# Altium PCB DC-DC_PWM_IV_Controller.PcbDoc (part 1 of 2)
Units mm, origin at the board's own origin, x right, y up, seen from the top; angles counter-clockwise.
Board outline 90.1 x 70.25 mm, 2 copper layers (Top Layer, Bottom Layer); 159 components, 95 nets, 423 pads, 82 vias.
Unrouted connection lines stored in the file: 1.
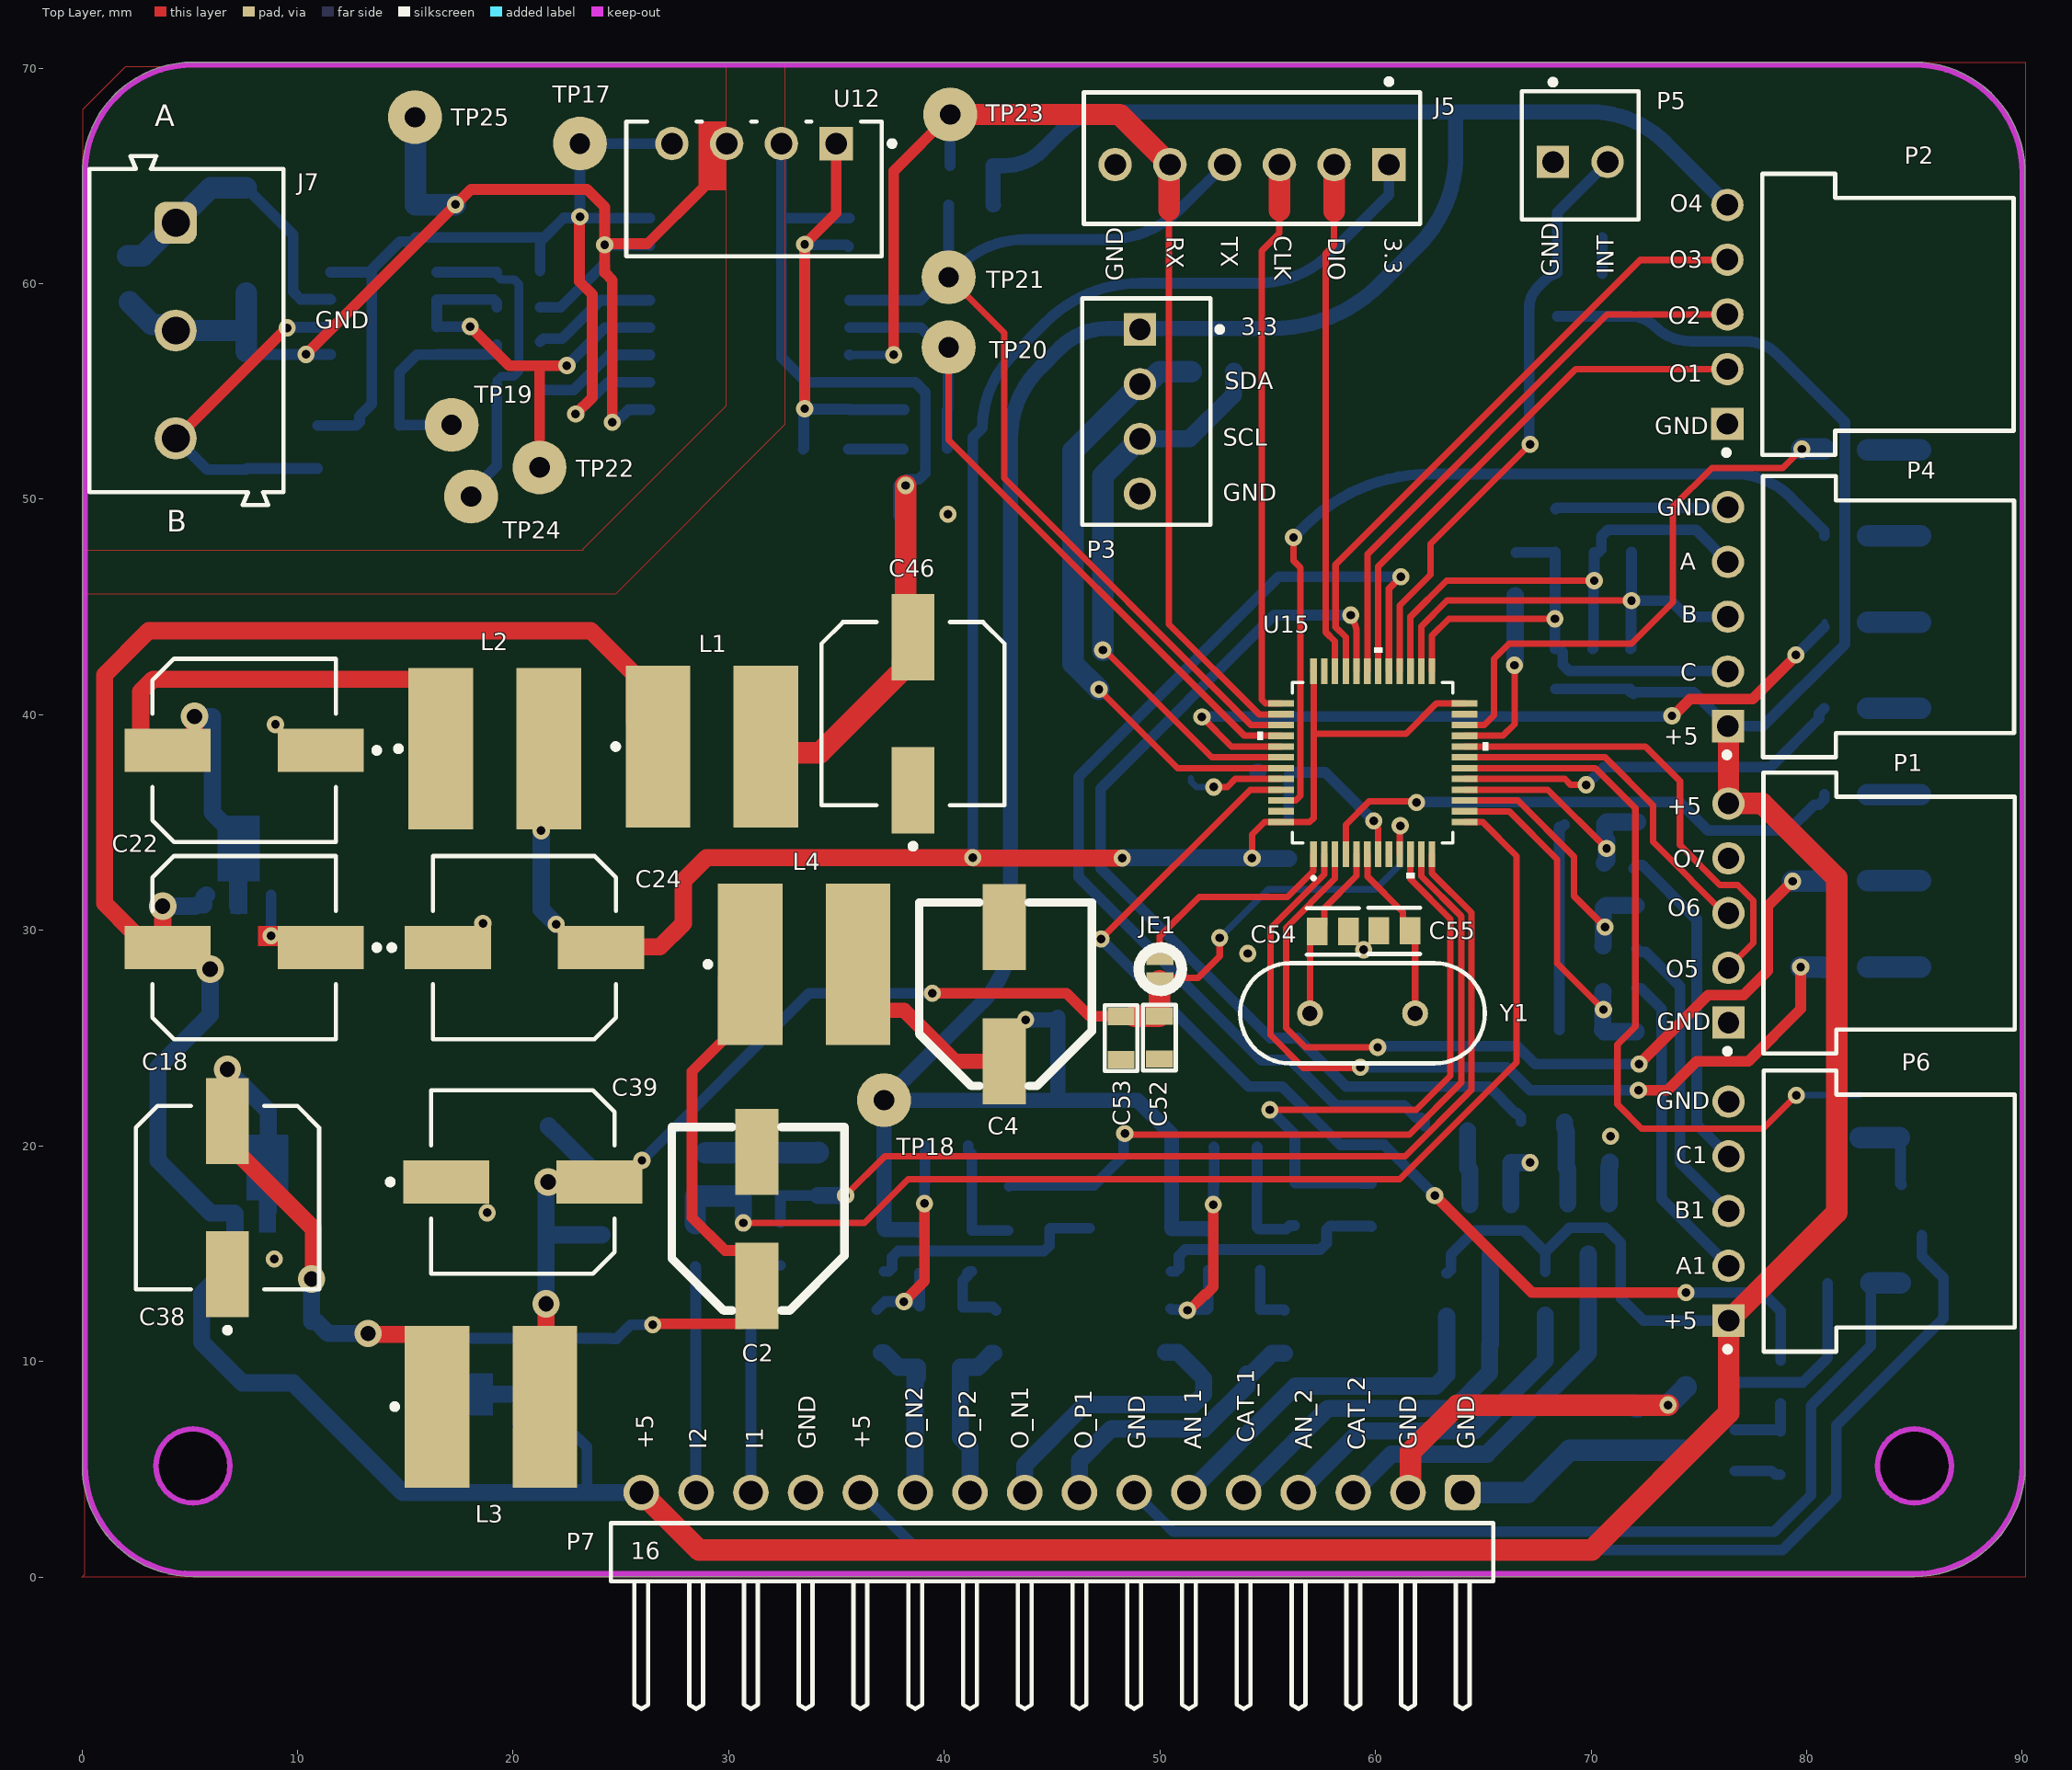
[diagram p0: Top Layer view]
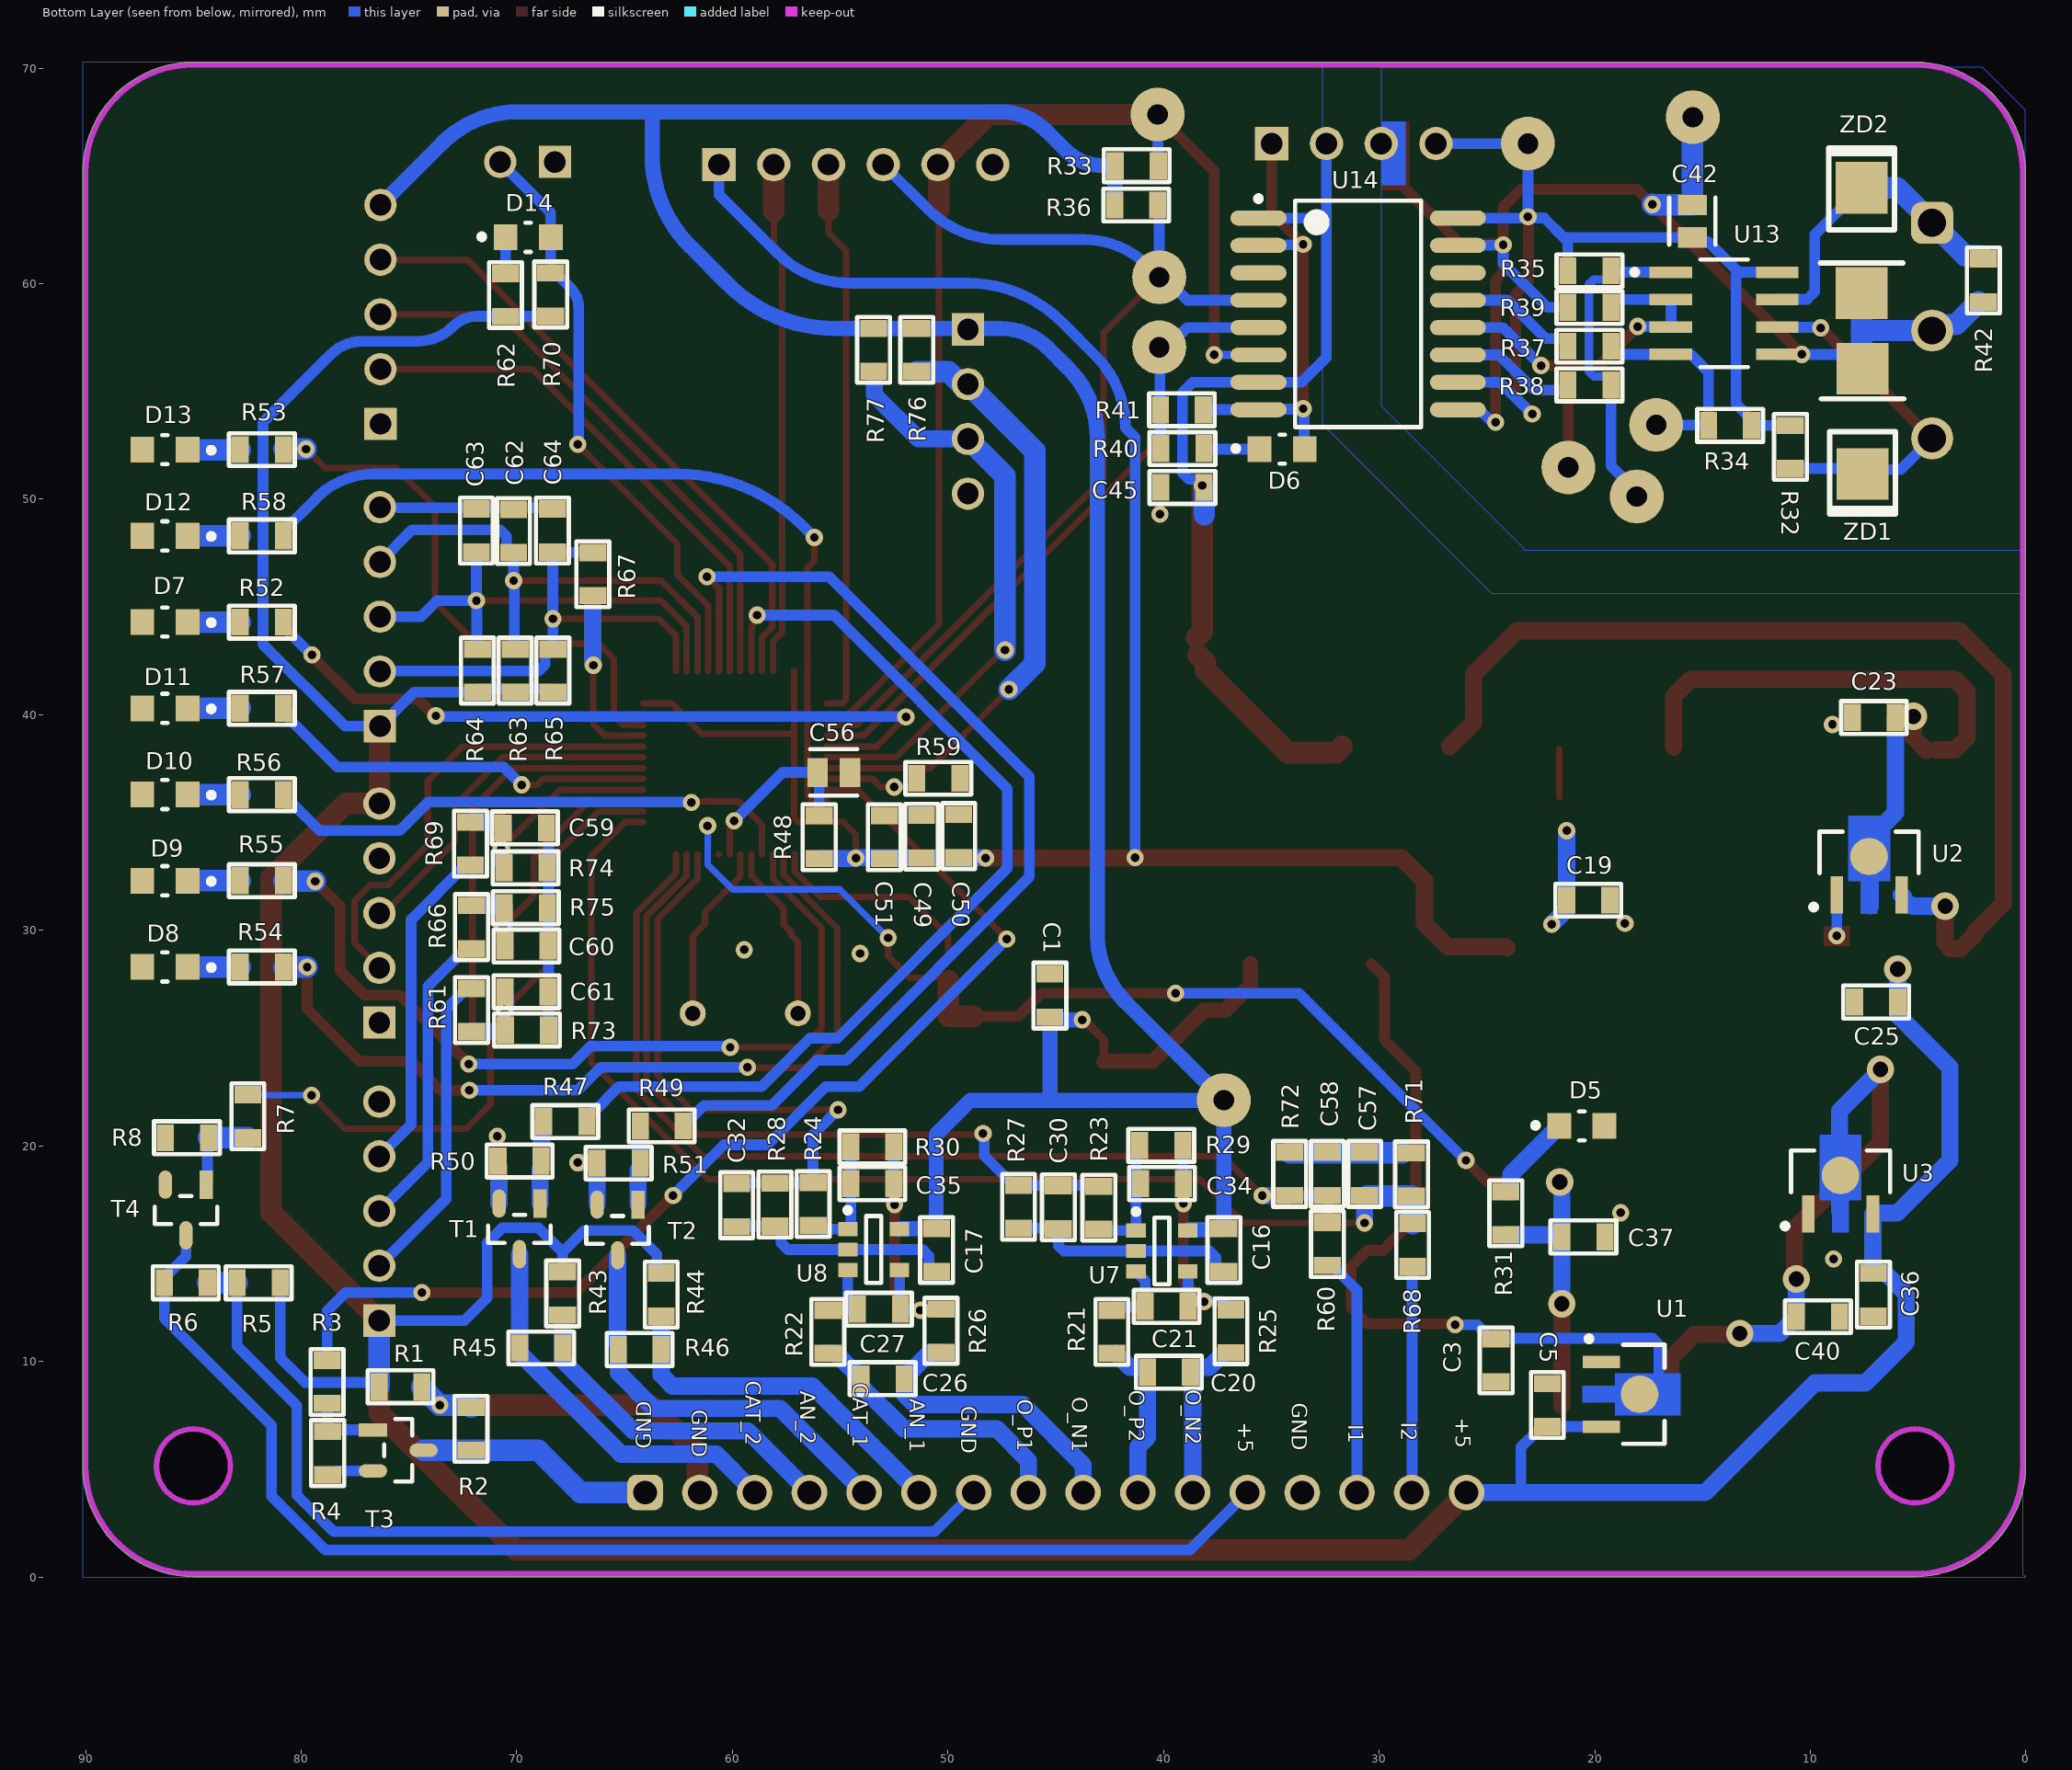
[diagram p1: Bottom Layer view, seen from below]
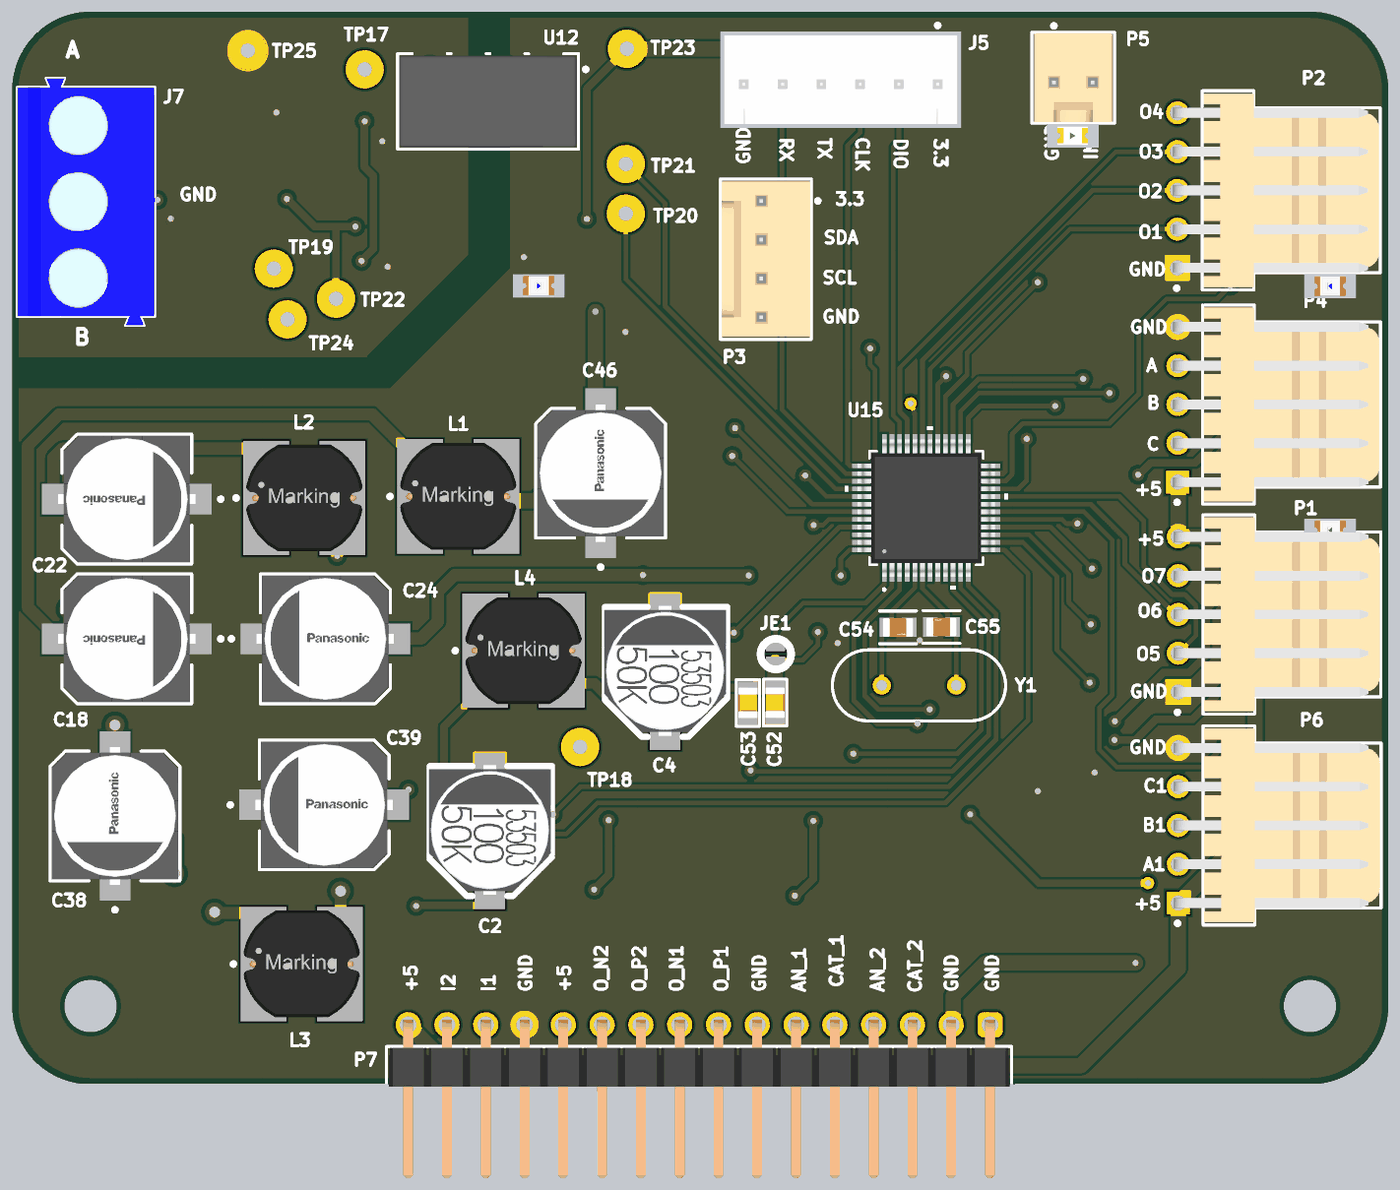
[diagram p3: 3D render of the assembled board from above, using the file's embedded part models]
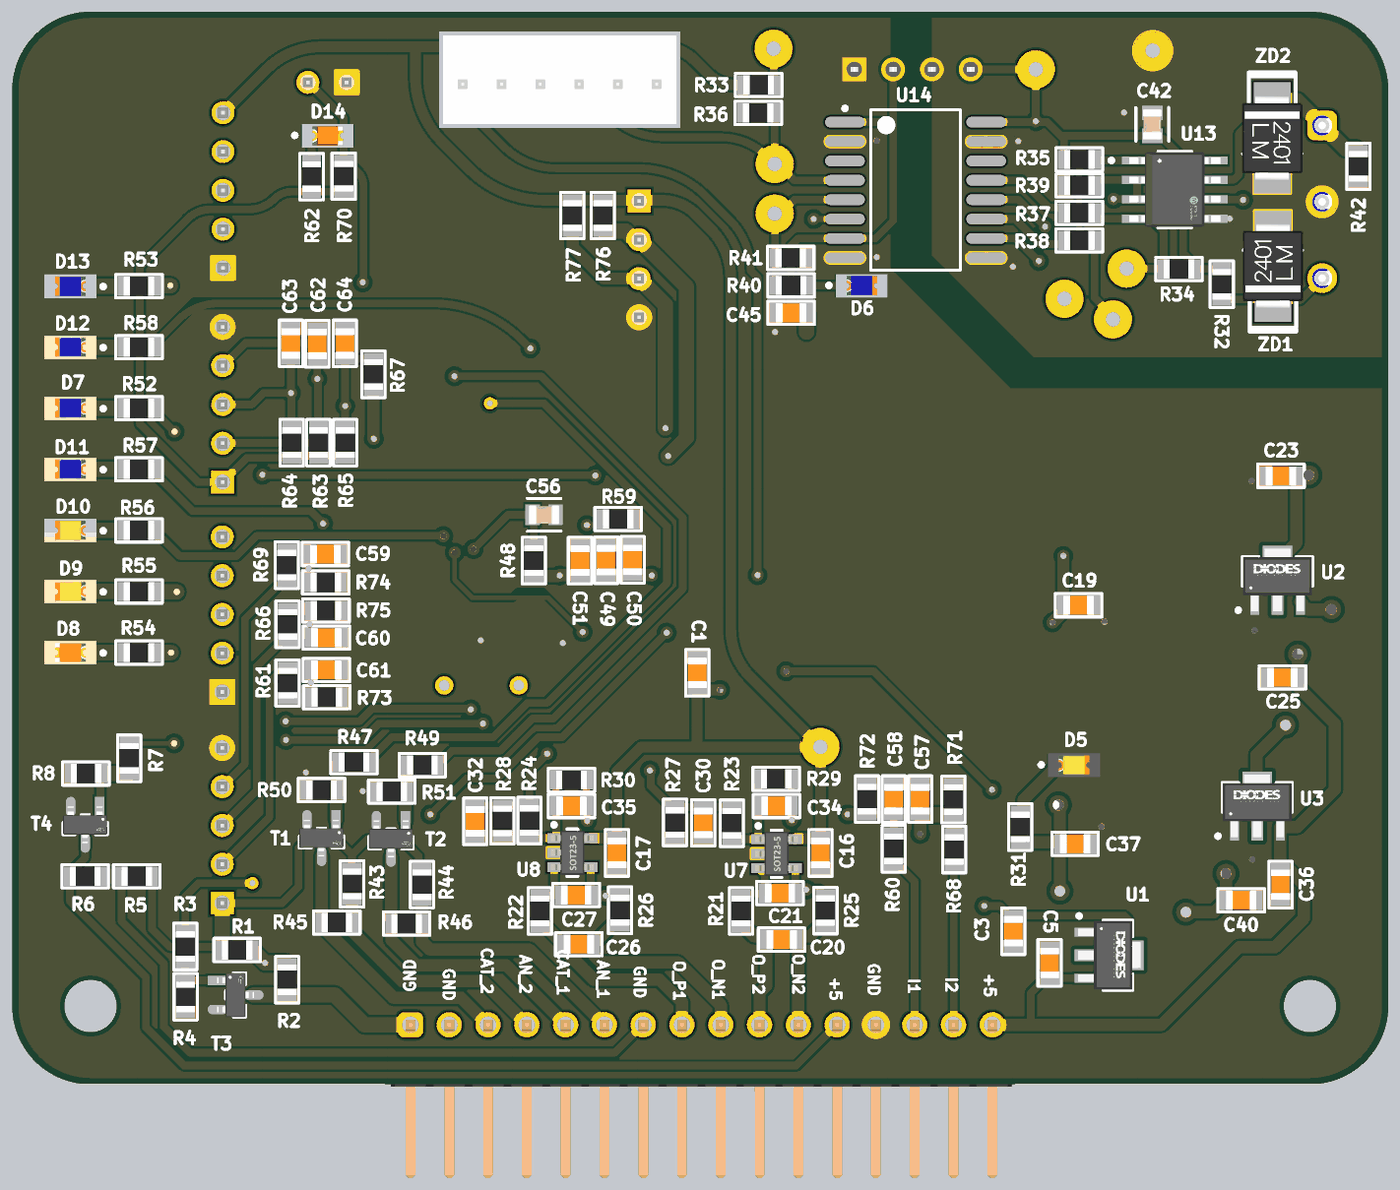
[diagram p4: 3D render of the assembled board from below, using the file's embedded part models]

## Layer stack, top to bottom
Top Solder: solder mask 0.0102, Solder Resist, Dk 3.5
Top Layer: signal copper 0.0356
Dielectric 1: dielectric 0.32, FR-4, Dk 4.8
Bottom Layer: signal copper 0.0356
Bottom Solder: solder mask 0.0102, Solder Resist, Dk 3.5

## Board outline
0.023,5.15 0.023,65.147 0.023,65.3 0.026,65.328 cw(c5.15,65.15) 5.15,70.277 85,70.277 85.001,70.277 cw(c85,65.15) 90.124,65.328 90.127,65.3 90.127,5.15 cw(c85,5.15) 85.001,0.023 85,0.023 5.15,0.023 5.148,0.023 cw(c5.15,5.15)
cut-out: 83.283,5.15 ccw(c85,5.15) 85,3.433 ccw(c85,5.15) 86.717,5.15 ccw(c85,5.15) 85,6.867 ccw(c85,5.15)
cut-out: 5.15,3.433 cw(c5.15,5.15) 3.433,5.15 cw(c5.15,5.15) 5.15,6.867 cw(c5.15,5.15) 6.867,5.15 cw(c5.15,5.15)

## Design rules (kind name [scope] priority, off if disabled: settings)
Clearance [All] p1: gap=0.15 ignorepadtopadclearanceinfootprint=FALSE except(0: Via-Hole Fill-Hole Poly-Hole Region-Hole Text-Hole; 0.2: THPad-THPad THPad-Via THPad-Fill THPad-Poly THPad-Region THPad-Text THPad-Hole; 0.254: Via-Via Via-Fill Via-Poly Via-Region Via-Text Fill-Fill Fill-Poly Fill-Region Fill-Text Poly-Poly Poly-Region Poly-Text Region-Region Region-Text Text-Text)
DiffPairsRouting [All] p1: maxlimit=0.254 minlimit=0.2 mostfreqgap=0.254 toplayer_minwidth=0.381 toplayer_maxwidth=0.381 toplayer_prefwidth=0.381 bottomlayer_minwidth=0.381 bottomlayer_maxwidth=0.381 bottomlayer_prefwidth=0.381 maxuncoupledlength=12.7
PlaneClearance [All] p1: clearance=0.635
PlaneConnect [InNet('GND_2')] p1: planeconnectstyle=Direct reliefexpansion=0.508 reliefentries=4 reliefconductorwidth=0.254 reliefairgap=0.254
PolygonConnect [InNet('GND_III') vs InNet('GND_III')] p1: connectstyle=Direct reliefconductorwidth=0.254 reliefentries=4 polygonreliefangle="90 Angle" airgapwidth=0.254
RoutingVias [All] p1: holewidth=0.711 width=1.27 viastyle="Through Hole" minholewidth=0.711 minwidth=1.27 maxholewidth=0.711 maxwidth=1.27
SolderMaskExpansion [All] p1: expansion=0.102 istentingtop=FALSE
Width [All] p1: maxlimit=5 minlimit=0.2 preferedwidth=0.254
27 further rules are at their usual default settings.
